# Altium PCB LOGTURTLE_APR_25_TX.PcbDoc (part 3 of 5) (continued)
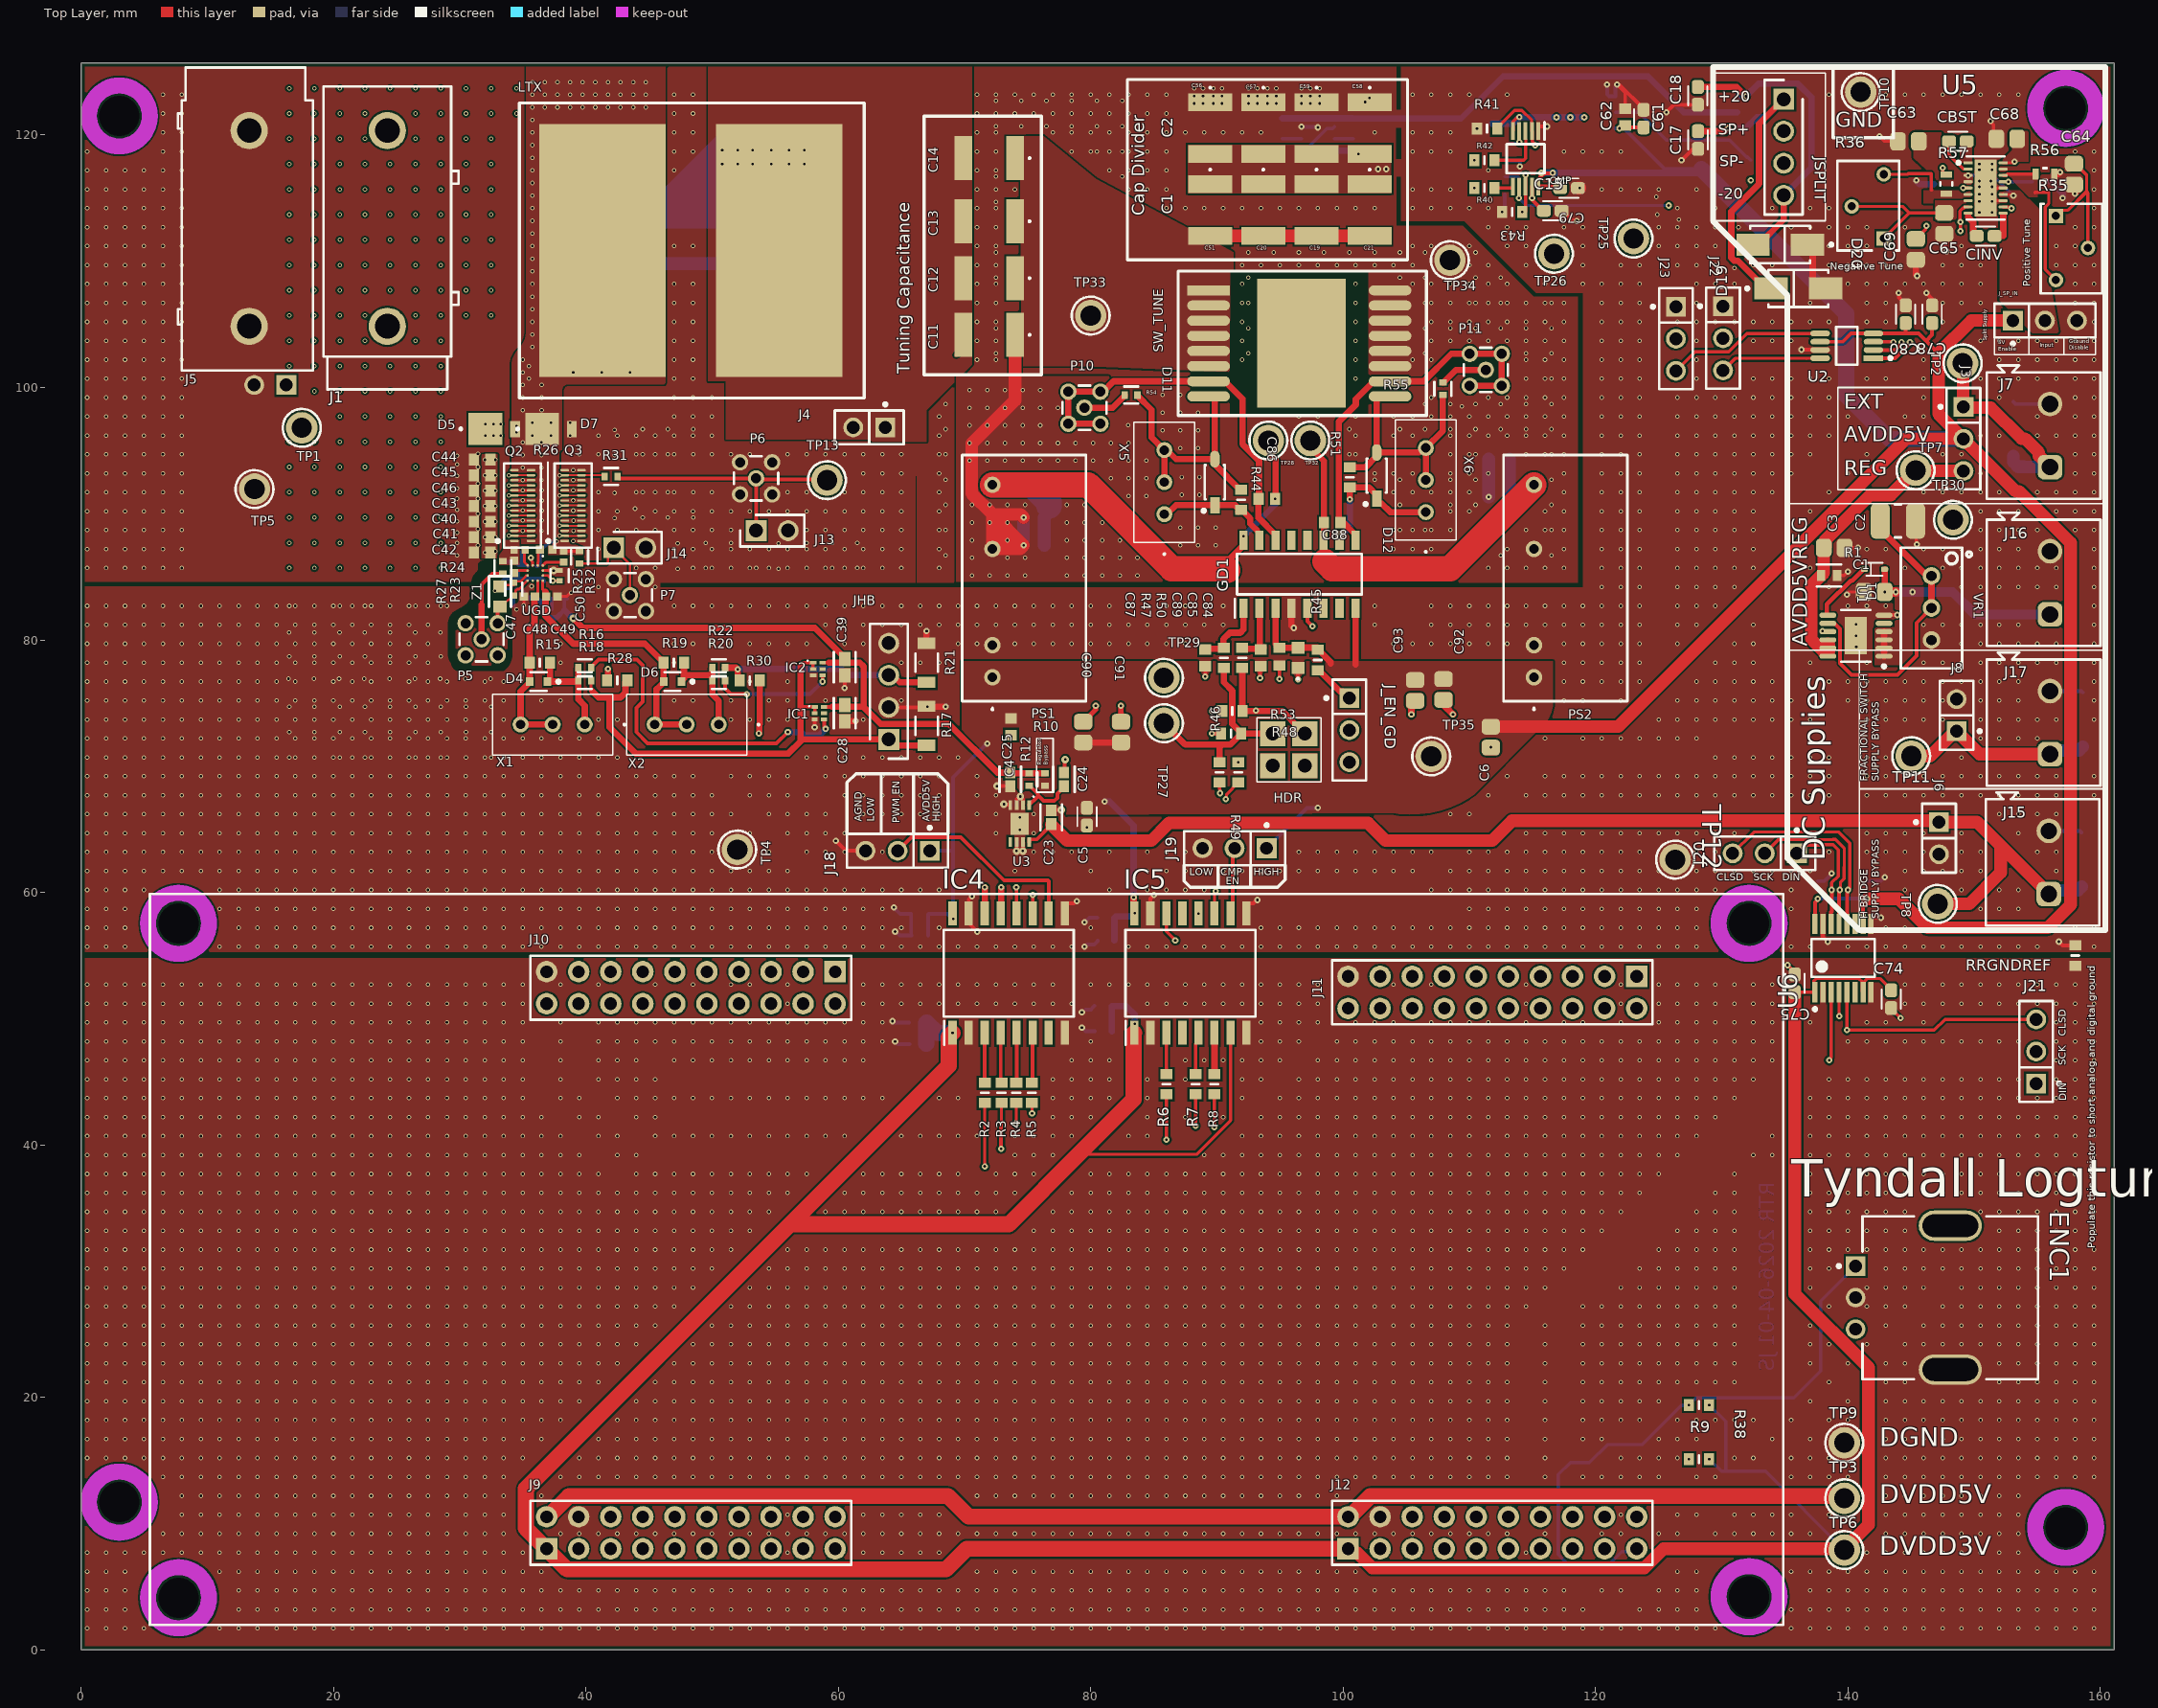
[diagram p0: Top Layer view]
## Nets (pads, with @x,y where several pads share a name; then routed paths per layer and width w, separated by ;. In a path a pad name is that pad's centre, name@x,y a point inside that pad or via, vN(x,y) a via of type N, cw(c..) or ccw(c..) an arc to the next point about the centre after c; other vN are vias at no path point) (continued)
3.49,33.2 4.99,33.2 6.49,33.2 7.99,33.2 9.49,33.2 10.99,33.2 12.49,33.2 13.99,33.2 15.49,33.2 16.99,33.2 18.49,33.2 19.99,33.2 21.49,33.2 22.99,33.2 24.49,33.2 25.99,33.2 27.49,33.2 28.99,33.2 30.49,33.2 31.99,33.2 33.49,33.2 34.99,33.2 36.49,33.2 37.99,33.2 39.49,33.2 40.99,33.2 42.49,33.2 43.99,33.2 45.49,33.2 46.99,33.2 48.49,33.2 49.99,33.2 51.49,33.2 52.99,33.2 75.49,33.2 76.99,33.2 78.49,33.2 79.99,33.2 81.49,33.2 82.99,33.2 84.49,33.2 85.99,33.2 87.49,33.2 88.99,33.2 90.49,33.2 91.99,33.2 93.49,33.2 94.99,33.2 96.49,33.2 97.99,33.2 99.49,33.2 100.99,33.2 102.49,33.2 103.99,33.2 105.49,33.2 106.99,33.2 108.49,33.2 109.99,33.2 111.49,33.2 112.99,33.2 114.49,33.2 115.99,33.2 117.49,33.2 118.99,33.2 120.49,33.2 126.49,33.2 127.99,33.2 129.49,33.2 130.99,33.2 136.99,33.2 138.49,33.2 139.99,33.2 141.49,33.2 142.99,33.2 144.49,33.2 151.99,33.2 153.49,33.2 154.99,33.2 156.49,33.2 157.99,33.2 159.49,33.2 0.49,34.7 1.99,34.7 3.49,34.7 4.99,34.7 6.49,34.7 7.99,34.7 9.49,34.7 10.99,34.7 12.49,34.7 13.99,34.7 15.49,34.7 16.99,34.7 18.49,34.7 19.99,34.7 21.49,34.7 22.99,34.7 24.49,34.7 25.99,34.7 27.49,34.7 28.99,34.7 30.49,34.7 31.99,34.7 33.49,34.7 34.99,34.7 36.49,34.7 37.99,34.7 39.49,34.7 40.99,34.7 42.49,34.7 43.99,34.7 45.49,34.7 46.99,34.7 48.49,34.7 49.99,34.7 51.49,34.7 52.99,34.7 54.49,34.7 58.99,34.7 60.49,34.7 61.99,34.7 63.49,34.7 64.99,34.7 66.49,34.7 67.99,34.7 69.49,34.7 70.99,34.7 72.49,34.7 76.99,34.7 78.49,34.7 79.99,34.7 81.49,34.7 82.99,34.7 84.49,34.7 85.99,34.7 87.49,34.7 88.99,34.7 90.49,34.7 91.99,34.7 93.49,34.7 94.99,34.7 96.49,34.7 97.99,34.7 99.49,34.7 100.99,34.7 102.49,34.7 103.99,34.7 105.49,34.7 106.99,34.7 108.49,34.7 109.99,34.7 111.49,34.7 112.99,34.7 114.49,34.7 115.99,34.7 117.49,34.7 118.99,34.7 120.49,34.7 121.99,34.7 127.99,34.7 129.49,34.7 130.99,34.7 136.99,34.7 138.49,34.7 139.99,34.7 141.49,34.7 142.99,34.7 144.49,34.7 150.49,34.7 151.99,34.7 153.49,34.7 154.99,34.7 156.49,34.7 157.99,34.7 159.49,34.7 0.49,36.2 1.99,36.2 3.49,36.2 4.99,36.2 6.49,36.2 7.99,36.2 9.49,36.2 10.99,36.2 12.49,36.2 13.99,36.2 15.49,36.2 16.99,36.2 18.49,36.2 19.99,36.2 21.49,36.2 22.99,36.2 24.49,36.2 25.99,36.2 27.49,36.2 28.99,36.2 30.49,36.2 31.99,36.2 33.49,36.2 34.99,36.2 36.49,36.2 37.99,36.2 39.49,36.2 40.99,36.2 42.49,36.2 43.99,36.2 45.49,36.2 46.99,36.2 48.49,36.2 49.99,36.2 51.49,36.2 52.99,36.2 54.49,36.2 55.99,36.2 60.49,36.2 61.99,36.2 63.49,36.2 64.99,36.2 66.49,36.2 67.99,36.2 69.49,36.2 70.99,36.2 72.49,36.2 73.99,36.2 78.49,36.2 79.99,36.2 81.49,36.2 82.99,36.2 84.49,36.2 85.99,36.2 87.49,36.2 88.99,36.2 90.49,36.2 91.99,36.2 93.49,36.2 94.99,36.2 96.49,36.2 97.99,36.2 99.49,36.2 100.99,36.2 102.49,36.2 103.99,36.2 105.49,36.2 106.99,36.2 108.49,36.2 109.99,36.2 111.49,36.2 112.99,36.2 114.49,36.2 115.99,36.2 117.49,36.2 118.99,36.2 120.49,36.2 121.99,36.2 123.49,36.2 129.49,36.2 130.99,36.2 136.99,36.2 138.49,36.2 139.99,36.2 141.49,36.2 142.99,36.2 144.49,36.2 145.99,36.2 147.49,36.2 148.99,36.2 150.49,36.2 151.99,36.2 153.49,36.2 154.99,36.2 156.49,36.2 157.99,36.2 159.49,36.2 0.49,37.7 1.99,37.7 3.49,37.7 4.99,37.7 6.49,37.7 7.99,37.7 9.49,37.7 10.99,37.7 12.49,37.7 13.99,37.7 15.49,37.7 16.99,37.7 18.49,37.7 19.99,37.7 21.49,37.7 22.99,37.7 24.49,37.7 25.99,37.7 27.49,37.7 28.99,37.7 30.49,37.7 31.99,37.7 33.49,37.7 34.99,37.7 36.49,37.7 37.99,37.7 39.49,37.7 40.99,37.7 43.99,37.7 45.49,37.7 46.99,37.7 48.49,37.7 49.99,37.7 51.49,37.7 52.99,37.7 54.49,37.7 55.99,37.7 57.49,37.7 61.99,37.7 63.49,37.7 64.99,37.7 66.49,37.7 67.99,37.7 69.49,37.7 72.49,37.7 73.99,37.7 75.49,37.7 79.99,37.7 81.49,37.7 82.99,37.7 84.49,37.7 85.99,37.7 87.49,37.7 88.99,37.7 90.49,37.7 91.99,37.7 93.49,37.7 94.99,37.7 96.49,37.7 97.99,37.7 99.49,37.7 100.99,37.7 102.49,37.7 103.99,37.7 105.49,37.7 106.99,37.7 108.49,37.7 109.99,37.7 111.49,37.7 112.99,37.7 114.49,37.7 115.99,37.7 117.49,37.7 118.99,37.7 120.49,37.7 121.99,37.7 123.49,37.7 124.99,37.7 130.99,37.7 136.99,37.7 138.49,37.7 139.99,37.7 141.49,37.7 142.99,37.7 144.49,37.7 145.99,37.7 147.49,37.7 148.99,37.7 150.49,37.7 151.99,37.7 153.49,37.7 154.99,37.7 156.49,37.7 157.99,37.7 159.49,37.7 0.49,39.2 1.99,39.2 3.49,39.2 4.99,39.2 6.49,39.2 7.99,39.2 9.49,39.2 10.99,39.2 12.49,39.2 13.99,39.2 15.49,39.2 16.99,39.2 18.49,39.2 19.99,39.2 21.49,39.2 22.99,39.2 24.49,39.2 25.99,39.2 27.49,39.2 28.99,39.2 30.49,39.2 31.99,39.2 33.49,39.2 34.99,39.2 36.49,39.2 37.99,39.2 39.49,39.2 42.49,39.2 43.99,39.2 73.99,39.2 75.49,39.2 76.99,39.2 88.99,39.2 90.49,39.2 91.99,39.2 93.49,39.2 94.99,39.2 96.49,39.2 97.99,39.2 99.49,39.2 100.99,39.2 102.49,39.2 103.99,39.2 105.49,39.2 106.99,39.2 108.49,39.2 109.99,39.2 111.49,39.2 112.99,39.2 114.49,39.2 115.99,39.2 117.49,39.2 118.99,39.2 120.49,39.2 121.99,39.2 123.49,39.2 124.99,39.2 126.49,39.2 132.49,39.2 133.99,39.2 136.99,39.2 138.49,39.2 139.99,39.2 141.49,39.2 142.99,39.2 144.49,39.2 145.99,39.2 147.49,39.2 148.99,39.2 150.49,39.2 151.99,39.2 153.49,39.2 154.99,39.2 156.49,39.2 157.99,39.2 159.49,39.2 0.49,40.7 1.99,40.7 3.49,40.7 4.99,40.7 6.49,40.7 7.99,40.7 9.49,40.7 10.99,40.7 12.49,40.7 13.99,40.7 15.49,40.7 16.99,40.7 18.49,40.7 19.99,40.7 21.49,40.7 22.99,40.7 24.49,40.7 25.99,40.7 27.49,40.7 28.99,40.7 30.49,40.7 31.99,40.7 33.49,40.7 34.99,40.7 36.49,40.7 37.99,40.7 40.99,40.7 42.49,40.7 45.49,40.7 46.99,40.7 48.49,40.7 49.99,40.7 51.49,40.7 52.99,40.7 54.49,40.7 55.99,40.7 57.49,40.7 58.99,40.7 60.49,40.7 64.99,40.7 66.49,40.7 67.99,40.7 69.49,40.7 70.99,40.7 73.99,40.7 75.49,40.7 76.99,40.7 78.49,40.7 82.99,40.7 84.49,40.7 91.99,40.7 93.49,40.7 94.99,40.7 96.49,40.7 97.99,40.7 99.49,40.7 100.99,40.7 102.49,40.7 103.99,40.7 105.49,40.7 106.99,40.7 108.49,40.7 109.99,40.7 111.49,40.7 112.99,40.7 114.49,40.7 115.99,40.7 117.49,40.7 118.99,40.7 120.49,40.7 121.99,40.7 123.49,40.7 124.99,40.7 126.49,40.7 127.99,40.7 133.99,40.7 136.99,40.7 138.49,40.7 139.99,40.7 141.49,40.7 142.99,40.7 144.49,40.7 145.99,40.7 147.49,40.7 148.99,40.7 150.49,40.7 151.99,40.7 153.49,40.7 154.99,40.7 156.49,40.7 157.99,40.7 159.49,40.7 0.49,42.2 1.99,42.2 3.49,42.2 4.99,42.2 6.49,42.2 7.99,42.2 9.49,42.2 10.99,42.2 12.49,42.2 13.99,42.2 15.49,42.2 16.99,42.2 18.49,42.2 19.99,42.2 21.49,42.2 22.99,42.2 24.49,42.2 25.99,42.2 27.49,42.2 28.99,42.2 30.49,42.2 31.99,42.2 33.49,42.2 34.99,42.2 36.49,42.2 39.49,42.2 40.99,42.2 43.99,42.2 45.49,42.2 76.99,42.2 78.49,42.2 79.99,42.2 84.49,42.2 87.49,42.2 90.49,42.2 93.49,42.2 94.99,42.2 96.49,42.2 97.99,42.2 99.49,42.2 100.99,42.2 102.49,42.2 103.99,42.2 105.49,42.2 106.99,42.2 108.49,42.2 109.99,42.2 111.49,42.2 112.99,42.2 114.49,42.2 115.99,42.2 117.49,42.2 118.99,42.2 120.49,42.2 121.99,42.2 123.49,42.2 124.99,42.2 126.49,42.2 127.99,42.2 129.49,42.2 136.99,42.2 138.49,42.2 139.99,42.2 141.49,42.2 142.99,42.2 144.49,42.2 145.99,42.2 147.49,42.2 148.99,42.2 150.49,42.2 151.99,42.2 153.49,42.2 154.99,42.2 156.49,42.2 157.99,42.2 159.49,42.2 0.49,43.7 1.99,43.7 3.49,43.7 4.99,43.7 6.49,43.7 7.99,43.7 9.49,43.7 10.99,43.7 12.49,43.7 13.99,43.7 15.49,43.7 16.99,43.7 18.49,43.7 19.99,43.7 21.49,43.7 22.99,43.7 24.49,43.7 25.99,43.7 27.49,43.7 28.99,43.7 30.49,43.7 31.99,43.7 33.49,43.7 34.99,43.7 37.99,43.7 39.49,43.7 42.49,43.7 43.99,43.7 45.49,43.7 46.99,43.7 48.49,43.7 49.99,43.7 51.49,43.7 52.99,43.7 54.49,43.7 55.99,43.7 57.49,43.7 58.99,43.7 60.49,43.7 61.99,43.7 63.49,43.7 67.99,43.7 69.49,43.7 76.99,43.7 78.49,43.7 79.99,43.7 81.49,43.7 84.49,43.7 91.99,43.7 94.99,43.7 96.49,43.7 97.99,43.7 99.49,43.7 100.99,43.7 102.49,43.7 103.99,43.7 105.49,43.7 106.99,43.7 108.49,43.7 109.99,43.7 111.49,43.7 112.99,43.7 114.49,43.7 115.99,43.7 117.49,43.7 118.99,43.7 120.49,43.7 121.99,43.7 123.49,43.7 124.99,43.7 126.49,43.7 127.99,43.7 129.49,43.7 130.99,43.7 136.99,43.7 138.49,43.7 139.99,43.7 141.49,43.7 142.99,43.7 144.49,43.7 145.99,43.7 147.49,43.7 148.99,43.7 150.49,43.7 151.99,43.7 153.49,43.7 154.99,43.7 156.49,43.7 157.99,43.7 159.49,43.7 0.49,45.2 1.99,45.2 3.49,45.2 4.99,45.2 6.49,45.2 7.99,45.2 9.49,45.2 10.99,45.2 12.49,45.2 13.99,45.2 15.49,45.2 16.99,45.2 18.49,45.2 19.99,45.2 21.49,45.2 22.99,45.2 24.49,45.2 25.99,45.2 27.49,45.2 28.99,45.2 30.49,45.2 31.99,45.2 33.49,45.2 34.99,45.2 37.99,45.2 40.99,45.2 42.49,45.2 43.99,45.2 45.49,45.2 76.99,45.2 78.49,45.2 79.99,45.2 81.49,45.2 84.49,45.2 87.49,45.2 91.99,45.2 93.49,45.2 96.49,45.2 97.99,45.2 99.49,45.2 100.99,45.2 102.49,45.2 103.99,45.2 105.49,45.2 106.99,45.2 108.49,45.2 109.99,45.2 111.49,45.2 112.99,45.2 114.49,45.2 115.99,45.2 117.49,45.2 118.99,45.2 120.49,45.2 121.99,45.2 123.49,45.2 124.99,45.2 126.49,45.2 127.99,45.2 129.49,45.2 130.99,45.2 132.49,45.2 138.49,45.2 139.99,45.2 141.49,45.2 142.99,45.2 144.49,45.2 145.99,45.2 147.49,45.2 148.99,45.2 150.49,45.2 151.99,45.2 153.49,45.2 156.49,45.2 157.99,45.2 159.49,45.2 0.49,46.7 1.99,46.7 3.49,46.7 4.99,46.7 6.49,46.7 7.99,46.7 9.49,46.7 10.99,46.7 12.49,46.7 13.99,46.7 15.49,46.7 16.99,46.7 18.49,46.7 19.99,46.7 21.49,46.7 22.99,46.7 24.49,46.7 25.99,46.7 27.49,46.7 28.99,46.7 30.49,46.7 31.99,46.7 33.49,46.7 34.99,46.7 37.99,46.7 40.99,46.7 42.49,46.7 43.99,46.7 46.99,46.7 48.49,46.7 49.99,46.7 51.49,46.7 52.99,46.7 54.49,46.7 55.99,46.7 57.49,46.7 58.99,46.7 60.49,46.7 61.99,46.7 78.49,46.7 79.99,46.7 81.49,46.7 87.49,46.7 88.99,46.7 90.49,46.7 91.99,46.7 93.49,46.7 94.99,46.7 97.99,46.7 99.49,46.7 100.99,46.7 102.49,46.7 103.99,46.7 105.49,46.7 106.99,46.7 108.49,46.7 109.99,46.7 111.49,46.7 112.99,46.7 114.49,46.7 115.99,46.7 117.49,46.7 118.99,46.7 120.49,46.7 121.99,46.7 123.49,46.7 124.99,46.7 126.49,46.7 127.99,46.7 129.49,46.7 130.99,46.7 132.49,46.7 133.99,46.7 156.49,46.7 157.99,46.7 159.49,46.7 0.49,48.2 1.99,48.2 3.49,48.2 4.99,48.2 6.49,48.2 7.99,48.2 9.49,48.2 10.99,48.2 12.49,48.2 13.99,48.2 15.49,48.2 16.99,48.2 18.49,48.2 19.99,48.2 21.49,48.2 22.99,48.2 24.49,48.2 25.99,48.2 27.49,48.2 28.99,48.2 30.49,48.2 31.99,48.2 33.49,48.2 34.99,48.2 37.99,48.2 40.99,48.2 42.49,48.2 43.99,48.2 45.49,48.2 46.99,48.2 48.49,48.2 49.99,48.2 51.49,48.2 52.99,48.2 54.49,48.2 55.99,48.2 57.49,48.2 58.99,48.2 60.49,48.2 61.99,48.2 63.49,48.2 79.99,48.2 93.49,48.2 94.99,48.2 96.49,48.2 99.49,48.2 100.99,48.2 102.49,48.2 103.99,48.2 105.49,48.2 106.99,48.2 108.49,48.2 109.99,48.2 111.49,48.2 112.99,48.2 114.49,48.2 115.99,48.2 117.49,48.2 118.99,48.2 120.49,48.2 121.99,48.2 123.49,48.2 124.99,48.2 126.49,48.2 127.99,48.2 129.49,48.2 130.99,48.2 132.49,48.2 133.99,48.2 139.99,48.2 141.49,48.2 142.99,48.2 144.49,48.2 145.99,48.2 147.49,48.2 148.99,48.2 150.49,48.2 151.99,48.2 153.49,48.2 156.49,48.2 157.99,48.2 159.49,48.2 0.49,49.7 1.99,49.7 3.49,49.7 4.99,49.7 6.49,49.7 7.99,49.7 9.49,49.7 10.99,49.7 12.49,49.7 13.99,49.7 15.49,49.7 16.99,49.7 18.49,49.7 19.99,49.7 21.49,49.7 22.99,49.7 24.49,49.7 25.99,49.7 27.49,49.7 28.99,49.7 30.49,49.7 31.99,49.7 33.49,49.7 34.99,49.7 37.99,49.7 40.99,49.7 42.49,49.7 43.99,49.7 45.49,49.7 46.99,49.7 48.49,49.7 49.99,49.7 51.49,49.7 52.99,49.7 54.49,49.7 55.99,49.7 57.49,49.7 58.99,49.7 60.49,49.7 61.99,49.7 63.49,49.7 93.49,49.7 94.99,49.7 96.49,49.7 97.99,49.7 100.99,49.7 102.49,49.7 103.99,49.7 106.99,49.7 108.49,49.7 109.99,49.7 111.49,49.7 114.49,49.7 117.49,49.7 118.99,49.7 121.99,49.7 124.99,49.7 126.49,49.7 127.99,49.7 129.49,49.7 130.99,49.7 132.49,49.7 133.99,49.7 136.99,49.7 141.49,49.7 142.99,49.7 145.99,49.7 156.49,49.7 157.99,49.7 159.49,49.7 0.49,51.2 1.99,51.2 3.49,51.2 4.99,51.2 6.49,51.2 7.99,51.2 9.49,51.2 10.99,51.2 12.49,51.2 13.99,51.2 15.49,51.2 16.99,51.2 18.49,51.2 19.99,51.2 21.49,51.2 22.99,51.2 24.49,51.2 25.99,51.2 27.49,51.2 28.99,51.2 30.49,51.2 31.99,51.2 33.49,51.2 34.99,51.2 55.99,51.2 61.99,51.2 63.49,51.2 64.99,51.2 66.49,51.2 67.99,51.2 69.49,51.2 70.99,51.2 72.49,51.2 73.99,51.2 75.49,51.2 76.99,51.2 78.49,51.2 84.49,51.2 85.99,51.2 87.49,51.2 88.99,51.2 90.49,51.2 91.99,51.2 93.49,51.2 94.99,51.2 96.49,51.2 97.99,51.2 114.49,51.2 121.99,51.2 124.99,51.2 126.49,51.2 127.99,51.2 129.49,51.2 130.99,51.2 132.49,51.2 133.99,51.2 144.49,51.2 145.99,51.2 147.49,51.2 148.99,51.2 150.49,51.2 151.99,51.2 153.49,51.2 154.99,51.2 156.49,51.2 157.99,51.2 159.49,51.2 0.49,52.7 1.99,52.7 3.49,52.7 4.99,52.7 6.49,52.7 7.99,52.7 9.49,52.7 10.99,52.7 12.49,52.7 13.99,52.7 15.49,52.7 16.99,52.7 18.49,52.7 19.99,52.7 21.49,52.7 22.99,52.7 24.49,52.7 25.99,52.7 27.49,52.7 28.99,52.7 30.49,52.7 31.99,52.7 33.49,52.7 34.99,52.7 37.99,52.7 40.99,52.7 45.49,52.7 48.49,52.7 51.49,52.7 52.99,52.7 55.99,52.7 61.99,52.7 63.49,52.7 64.99,52.7 66.49,52.7 67.99,52.7 69.49,52.7 70.99,52.7 72.49,52.7 73.99,52.7 75.49,52.7 76.99,52.7 79.99,52.7 81.49,52.7 82.99,52.7 84.49,52.7 85.99,52.7 87.49,52.7 88.99,52.7 90.49,52.7 91.99,52.7 93.49,52.7 94.99,52.7 96.49,52.7 97.99,52.7 103.99,52.7 106.99,52.7 114.49,52.7 121.99,52.7 124.99,52.7 126.49,52.7 127.99,52.7 129.49,52.7 130.99,52.7 132.49,52.7 133.99,52.7 144.49,52.7 145.99,52.7 147.49,52.7 148.99,52.7 150.49,52.7 151.99,52.7 153.49,52.7 154.99,52.7 156.49,52.7 157.99,52.7 159.49,52.7
HIN: C48.2 D4.2 R15.2 UGD.B4 X1.2 X1.3 | length 14.5
  Top Layer w0.225: C48.2@35.93,83.45 35.983,83.45 36.19,83.658 UGD.B4@36.19,84.7
  Top Layer w0.5: C48.2@35.93,83.45 35.93,81.313 35.55,80.932 R15.2@35.55,78.2 D4.2@35.55,76.7 35.55,76.65 34.83,75.93 X1.3@34.83,73.3 X1.2@37.37,73.3
LDO+: C64.2 R35.1 R35.2 U5.17 | length 10.4
  Top Layer w0.254: R35.1@156.47,113.595 156.918,114.043 157.427,114.043 158.902,115.518 ; C64.2@157.9,117.725 158,117.725 158.902,116.823 158.902,115.518 ; R35.2@159.01,111.055 159.01,115.41 158.902,115.518
LDO-: C65.2 R36.1 R36.2 U5.7 | length 10.4
  Top Layer w0.254: R36.2@140.29,114.345 144.329,114.345 144.85,113.825 ; R36.1@142.83,111.805 144.85,113.825 ; C65.2@147.619,113.825 144.85,113.825
LIN: C49.2 D6.2 R19.2 UGD.A4 X2.2 X2.3 | length 21.6
  Top Layer w0.225: UGD.A4@36.59,84.7 36.59,84.008 36.798,83.8 36.8,83.8
  Top Layer w0.5: 36.8,83.8 36.8,81.9 39,79.7 44.67,79.7 45.945,78.425 46.02,78.425 46.17,78.275 R19.2@46.17,78.2 D6.2@46.17,76.7 46.17,76.65 45.623,76.103 45.597,76.103 45.597,73.447 X2.3@45.45,73.3 X2.2@47.99,73.3
NetC1_2: C1.2 D1.1 J16.1 U1.1 U1.2 U1.3 U1.4 | length 18.5
  Top Layer w0.5: U1.1@142.85,78.71 U1.2@142.85,79.36 U1.3@142.85,80.01 U1.4@142.85,80.66 U1.4@142.85,80.675 ; v3(142.9,83.8) D1.1@142.9,85.6
  Top Layer w0.762: v3(142.9,83.8) v3(143.775,83.8)
  Bottom Layer w0.762: v3(142.9,83.8) v3(143.775,83.8) v3(145.1,83.8) 148.27,83.8 150.045,82.025 J16.1@156,82.025
NetC2_2: C2.2 U1.8 VR1.1 VR1.2 | length 24
  Top Layer w0.3: U1.8@138.4,81.31 138.902,81.31 138.952,81.26 138.982,81.26 139.375,80.867 139.375,78.15 140.275,77.25 143.925,77.25 145.425,78.75 145.425,81.352 VR1.2@146.608,82.535
  Top Layer w0.5: C2.2@142.55,89.42 142.55,88.77 146.073,85.247 146.436,85.247 VR1.1@146.608,85.075 VR1.2@146.608,82.535
NetC24_2: C24.2 R12.1 U3.1 | length 5
  Top Layer w0.3: U3.1@75.125,66.9 75.125,66.946 75.716,67.537 ; R12.1@75.125,68.45 75.175,68.45 75.795,67.83 75.795,67.603 75.92,67.603 76.266,67.258 77.118,67.258 77.347,67.487 77.347,67.822 77.875,68.35 C24.2@77.875,68.409
NetC27_1: C27.1 D2.1 Q1.1 R13.2 | length 4.5
  Bottom Layer w0.2: Q1.1@34.925,84.475 34.925,84.875 35.055,84.875
  Bottom Layer w0.3: R13.2@33.408,84.7 33.583,84.875 35.055,84.875 35.725,84.875 35.75,84.85 36.55,84.85 36.7,84.7 D2.1@36.7,84.65 ; C27.1@34.6,85.325 34.654,85.271 34.654,84.875
NetC27_2: C27.2 D3.2 R13.1 R14.2 | length 3.2
  Bottom Layer w0.3: R13.1@33.408,86.3 33.53,86.178 34.514,86.178 34.6,86.092 C27.2@34.6,86.058 ; C27.2@34.6,86.025 34.688,85.936 34.993,85.936 ; D3.2@34.955,86.992 34.955,85.975 34.993,85.936 ; R14.2@35.384,85.85 35.298,85.936 34.993,85.936
NetC63_2: C63.2 J_SP_IN.2 U5.3 U5.4 U5.13 | length 5.1
  Top Layer w0.254: U5.13@152.291,115.3 152.296,115.294 152.939,115.294 153.033,115.2 v3(153.1,115.2)
  Bottom Layer w0.254: v3(149.509,116.779) 149.531,116.8 151.5,116.8 152.175,116.125 152.175,116.089 153.064,115.2 v3(153.1,115.2)
NetC87_2: C87.2 GD1.1 R47.2 | length 5.8
  Top Layer w0.5: C87.2@89.074,79.234 89.144,79.304 90.473,79.304 R47.2@90.543,79.374 90.515,79.403 90.515,80.074 91.015,80.574 91.85,80.574 92.091,80.815 GD1.1@92.091,82.505
NetC89_2: C89.2 GD1.2 R50.2 | length 4.6
  Top Layer w0.5: R50.2@92.007,79.374 92.077,79.304 C89.2@93.396,79.304 ; GD1.2@93.385,82.074 93.385,79.316 C89.2@93.396,79.304 ; C89.2@93.686,79.399 93.521,79.234 C89.2@93.466,79.234 C89.2@93.396,79.304
NetCMP_3: CMP.3 R40.2 | length 4
  Top Layer w0.254: R40.2@112,118 113.769,118 113.786,118.017 114.214,118.017 114.231,118 114.301,118 114.45,118.149 114.45,119.2 114.467,119.217 114.467,119.625
NetCMP_6: CMP.6 R42.2 | length 1.6
  Top Layer w0.254: R42.2@112,115.8 113.45,115.8 CMP.6@113.45,115.925
NetD1_2: D1.2 U1.7 | length 5
  Top Layer w0.35: U1.7@138.4,81.96 138.352,81.96 138.329,81.983 138.329,82.671 138.329,82.828 140.205,84.705 140.33,84.705 141.225,85.6 D1.2@141.3,85.6
NetD4_1: D4.1 R15.1 R16.2 R18.2 X1.1 | length 8.8
  Top Layer w0.5: D4.1@36.95,76.7 39.38,76.7 39.41,76.73 R18.2@39.41,76.78 ; D4.1@36.95,76.75 37.15,76.95 R15.1@37.15,78.2 ; R16.2@39.41,77.8 R18.2@39.41,76.78 ; X1.1@39.91,73.3 39.91,74.79 39.41,75.29 R18.2@39.41,76.78
NetD6_1: D6.1 R19.1 R20.2 R22.2 X2.1 | length 8.6
  Top Layer w0.5: D6.1@47.57,76.7 47.57,76.75 47.77,76.95 47.77,77.2 ; R19.1@47.77,78.2 47.77,77.2 ; R22.2@50.03,77.8 50.03,77.125 ; X2.1@50.53,73.3 50.53,75.17 50.03,75.67 R20.2@50.03,76.78 50.03,77.125 ; 47.77,77.2 49.955,77.2 50.03,77.125
NetD11_1: D11.1 GD1.15 R44.1 X5.1 | length 8.9
  Top Layer w0.5: X5.1@85.83,89.959 86.038,89.959 86.753,90.674 D11.1@89.83,90.674 91.451,90.674 91.825,90.3 R44.1@91.83,90.3 ; R44.1@91.696,90.15 91.846,90.3 R44.1@91.9,90.3 91.975,90.3 92.64,89.635 92.64,89.21 93.175,88.675
NetD12_1: D12.1 GD1.10 R51.1 X6.1 | length 11.7
  Top Layer w0.5: GD1.10@99.711,87.905 99.711,88.161 v3(99.725,88.175) ; v3(100.515,91.134) R51.1@100.515,92.074 102.053,92.074 102.655,91.472 D12.1@102.655,91.199 102.655,90.926 102.786,90.795 103.059,90.795 103.724,90.13 X6.1@106.547,90.13
  Bottom Layer w0.5: v3(99.725,88.175) 100.515,88.965 v3(100.515,91.134)
NetHDR_2: HDR.2 R46.2 R47.1 R48.2 TP27.1 | length 16.9
  Top Layer w0.5: TP27.1@85.8,73.4 87.501,71.699 90.401,71.699 ; R46.2@90.2,70.3 90.2,71.497 90.401,71.699 ; R47.1@90.543,77.774 90.543,76.645 91.215,75.974 91.215,73.349 91.99,72.574 94.426,72.574 HDR.2@94.43,72.57 ; R48.2@91.915,72.574 91.915,72.499 91.765,72.349 91.69,72.349 91.04,71.699 90.401,71.699
NetHDR_4: HDR.4 R49.2 R50.1 R53.2 TP29.TP_29 | length 22.6
  Top Layer w0.5: R50.1@92.007,77.774 92.011,77.77 92.011,74.377 R53.2@92.015,74.374 95.192,74.374 95.866,73.699 95.866,73.674 HDR.4@96.97,72.57
  Mid-Layer 2 w0.5: TP29.TP_29@85.8,77 87.291,75.509 91.991,75.509 v3(93.1,74.4) 93.1,73.8 92.7,73.4 92.7,70.5 91.9,70.5 v3(91.7,70.3)
NetIC1_4: IC1.4 R16.1 | length 27
  Top Layer w0.3: R16.1@40.41,77.8 40.41,77.85 41,78.44 44.06,78.44 44.5,78 44.5,75.1 44,74.6 44,72.7 44.9,71.8 55.1,71.8 v4(56,72.7) ; IC1.4@58.875,73.7 58.875,73.129 59,73.004 v4(59,72.95)
  Bottom Layer w0.5: v4(56,72.7) 57.06,72.7 57.335,72.425 58.475,72.425 v4(59,72.95)
NetIC2_4: IC2.4 R20.1 | length 9.4
  Top Layer w0.3: R20.1@51.03,76.78 51.03,76.17 51.49,75.71 v4(52.755,75.71) ; v4(58.75,76.7) IC2.4@58.75,77.2
  Bottom Layer w0.3: v4(52.755,75.71) 57.76,75.71 v4(58.75,76.7)
NetIC3_1: IC3.1 IC3.4 | length 3.4
  Bottom Layer w0.254: IC3.1@96.7,118.75 96.95,118.75 98.702,120.502 99.152,120.502 IC3.4@99.3,120.65
NetIC3_2: IC3.2 R33.1 | length 1.5
  Bottom Layer w0.254: R33.1@95.162,119.699 95.163,119.7 IC3.2@96.7,119.7
NetIC3_5: IC3.5 R34.2 | length 1.5
  Bottom Layer w0.254: IC3.5@99.3,119.7 R34.2@100.8,119.7
NetIC4_3: IC4.3 R2.2 | length 4
  Top Layer w0.3: IC4.3@71.595,48.875 71.595,44.922 R2.2@71.6,44.917
NetIC4_4: IC4.4 R3.2 | length 4
  Top Layer w0.3: IC4.4@72.865,48.875 72.865,44.977 R3.2@72.925,44.917
NetIC4_5: IC4.5 R4.2 | length 4
  Top Layer w0.3: R4.2@74.1,44.917 74.135,44.952 IC4.5@74.135,48.875
NetIC4_6: IC4.6 R5.2 | length 4
  Top Layer w0.3: R5.2@75.35,44.917 75.405,44.972 IC4.6@75.405,48.875
NetIC5_3: IC5.3 R6.2 | length 3.3
  Top Layer w0.254: IC5.3@85.995,48.875 85.995,45.605 R6.2@86,45.6
NetIC5_5: IC5.5 R7.2 | length 3.4
  Top Layer w0.254: R7.2@88.3,45.6 88.3,48.015 88.535,48.25 IC5.5@88.535,48.875
NetIC5_6: IC5.6 R8.2 | length 3.3
  Top Layer w0.508: R8.2@89.8,45.6 89.803,45.602 89.803,48.873 IC5.6@89.805,48.875
NetJ13_1: J13.1 P6.1 R31.2 TP13.1 | length 20.9
  Top Layer w0.3: R31.2@42.5,92.95 42.65,92.8 P6.1@53.49,92.8 ; J13.1@53.49,88.657 P6.1@53.49,92.8 ; TP13.1@59.103,92.657 59.032,92.729 53.562,92.729 P6.1@53.49,92.8
NetJ14_1: J14.1 P7.1 R32.2 | length 7.9
  Top Layer w0.2: R32.2@39.5,86.05 41.625,86.05 41.742,86.167 41.742,86.842 J14.1@42.2,87.3 43.49,86.01 P7.1@43.49,83.55
NetJ_EN_GD_1: J_EN_GD.1 R45.1 | length 3.4
  Top Layer w0.5: R45.1@97.983,77.61 98.058,77.61 99.733,75.935 99.955,75.935 J_EN_GD.1@100.49,75.4
NetP5_1: P5.1 R27.2 | length 9.1
  Top Layer w0.3: P5.1@31.74,80.05 31.74,84.415 32.575,85.25 R27.2@33.425,85.25
  Top Layer w0.5: P5.1@31.74,80.05 31.74,82.8
NetP10_1: P10.1 R54.2 | length 3.6
  Top Layer w0.5: P10.1@79.5,98.4 81.75,98.4 82.7,99.35 R54.2@82.7,99.4
NetP11_1: P11.1 R55.2 | length 3.8
  Top Layer w0.5: R55.2@107.9,100.4 107.95,100.4 108.95,101.4 P11.1@111.3,101.4
NetQ1_3: Q1.3 R11.1 | length 1.1
  Bottom Layer w0.2: R11.1@33.6,83.9 33.75,84.05 33.986,84.05 34.411,84.475 Q1.3@34.475,84.475
NetR23_1: R23.1 UGD.D2 | length 1.1
  Top Layer w0.225: R23.1@34.325,85.3 34.525,85.5 UGD.D2@35.39,85.5
NetR24_1: R24.1 UGD.D1 | length 1.4
  Top Layer w0.225: R24.1@35.175,87.15 35.137,87.112 35.137,86.153 UGD.D1@35.39,85.9
NetR25_1: R25.1 UGD.A1 | length 1.8
  Top Layer w0.225: UGD.A1@36.59,85.9 36.6,85.9 36.865,86.165 R25.1@38.25,86.165
NetR26_1: R26.1 UGD.B1 | length 1.2
  Top Layer w0.225: UGD.B1@36.19,85.9 36.19,86.165 36.25,86.225 36.25,86.95 R26.1@36.35,87.05
NetR33_2: R33.2 R34.1 U4.5 | length 38.6
  Bottom Layer w0.5: R33.2@95.162,121.299 95.188,121.325 100.775,121.325 R34.1@100.8,121.3 109.329,121.3 112.669,124.64 124.151,124.64 126.991,121.8 U4.5@131.231,121.8
NetR37_2: R37.2 U4.2 | length 12.3
  Bottom Layer w0.254: U4.2@121.569,121.8 123.4,121.8 125.6,119.6 130.625,119.6 R37.2@131.989,118.236 ; R37.2@132.027,118.273 R37.2@132.3,118
P00: J10.20 R2.1 | length 50.6
  Top Layer w0.254: v3(71.6,38.3) R2.1@71.6,43.317
  Mid-Layer 2 w0.3: J10.20@36.89,51.181 36.89,43.71 43.7,36.9 70.2,36.9 v3(71.6,38.3)
P01: J10.18 R3.1 | length 45.5
  Top Layer w0.254: 72.925,41.7 R3.1@72.925,43.317
  Top Layer w0.3: v3(72.9,39.7) 72.9,41.675 72.925,41.7
  Mid-Layer 2 w0.3: J10.18@39.43,51.181 39.43,45.07 44.9,39.6 72.8,39.6 v3(72.9,39.7)
P02: J10.16 R4.1 | length 40.5
  Top Layer w0.254: v3(74.1,41.7) R4.1@74.1,43.317
  Mid-Layer 2 w0.3: J10.16@41.97,51.181 41.97,46.43 46.2,42.2 73.6,42.2 v3(74.1,41.7)
P03: J10.14 R5.1 | length 37.2
  Top Layer w0.254: v3(75.35,42.509) R5.1@75.35,43.317
  Mid-Layer 2 w0.3: J10.14@44.51,51.181 44.51,47.79 47.4,44.9 72.958,44.9 v3(75.35,42.509)
P04: J10.12
P05: J10.10
P06: J11.20 R6.1 | length 22.8
  Top Layer w0.254: v3(86,40.4) R6.1@86,44
  Mid-Layer 2 w0.254: v3(86,40.4) 89.976,40.4 J11.20@100.39,50.814 J11.20@100.39,50.361
P07: J11.18
P08: J11.16
P09: J11.14
P10: J11.12
P11: J11.10
P14: J11.8
P15: J11.6
P16: J10.6
P18: J9.7
P19: J9.5
P22: J9.15
P24: J10.8
P25: J11.1
P26: J11.5
P27: J11.3
P29: J10.1 R8.1 | length 37.8
  Top Layer w0.254: v3(89.8,41.4) R8.1@89.8,44
  Mid-Layer 2 w0.254: J10.1@59.75,53.721 77.479,53.721 v3(89.8,41.4)
P32: J9.3
P40: ENC1.A J12.19 R38.1 | length 46.9
  Bottom Layer w0.254: J12.19@123.25,8.001 123.037,7.788 122.091,7.788 121.177,6.874 117.703,6.874 117.043,7.534 117.043,13.878 118.014,14.85 119.514,14.85 120.923,16.258 123.673,16.258 126.769,19.354 127.354,19.354 v3(127.4,19.4) 127.959,19.959 135.715,19.959 137.833,22.078 137.833,27.633 ENC1.A@140.6,30.4
P41: ENC1.B J12.17 R9.1 | length 28.3
  Mid-Layer 2 w0.254: J12.17@120.71,8.001 120.987,8.278 121.933,8.278 122.831,9.176 123.479,9.176 124.548,10.245 124.548,12.248 v3(127.4,15.1) 128.558,16.258 131.458,16.258 ENC1.B@140.6,25.4
P56: J12.7
P58: J10.9
P59: J10.7
P60: J9.13
P61: J10.17
P63: J11.9
P64: J11.7
P66: J11.17
P67: J9.9